# KiCad board latentpink.kicad_pcb (continued)
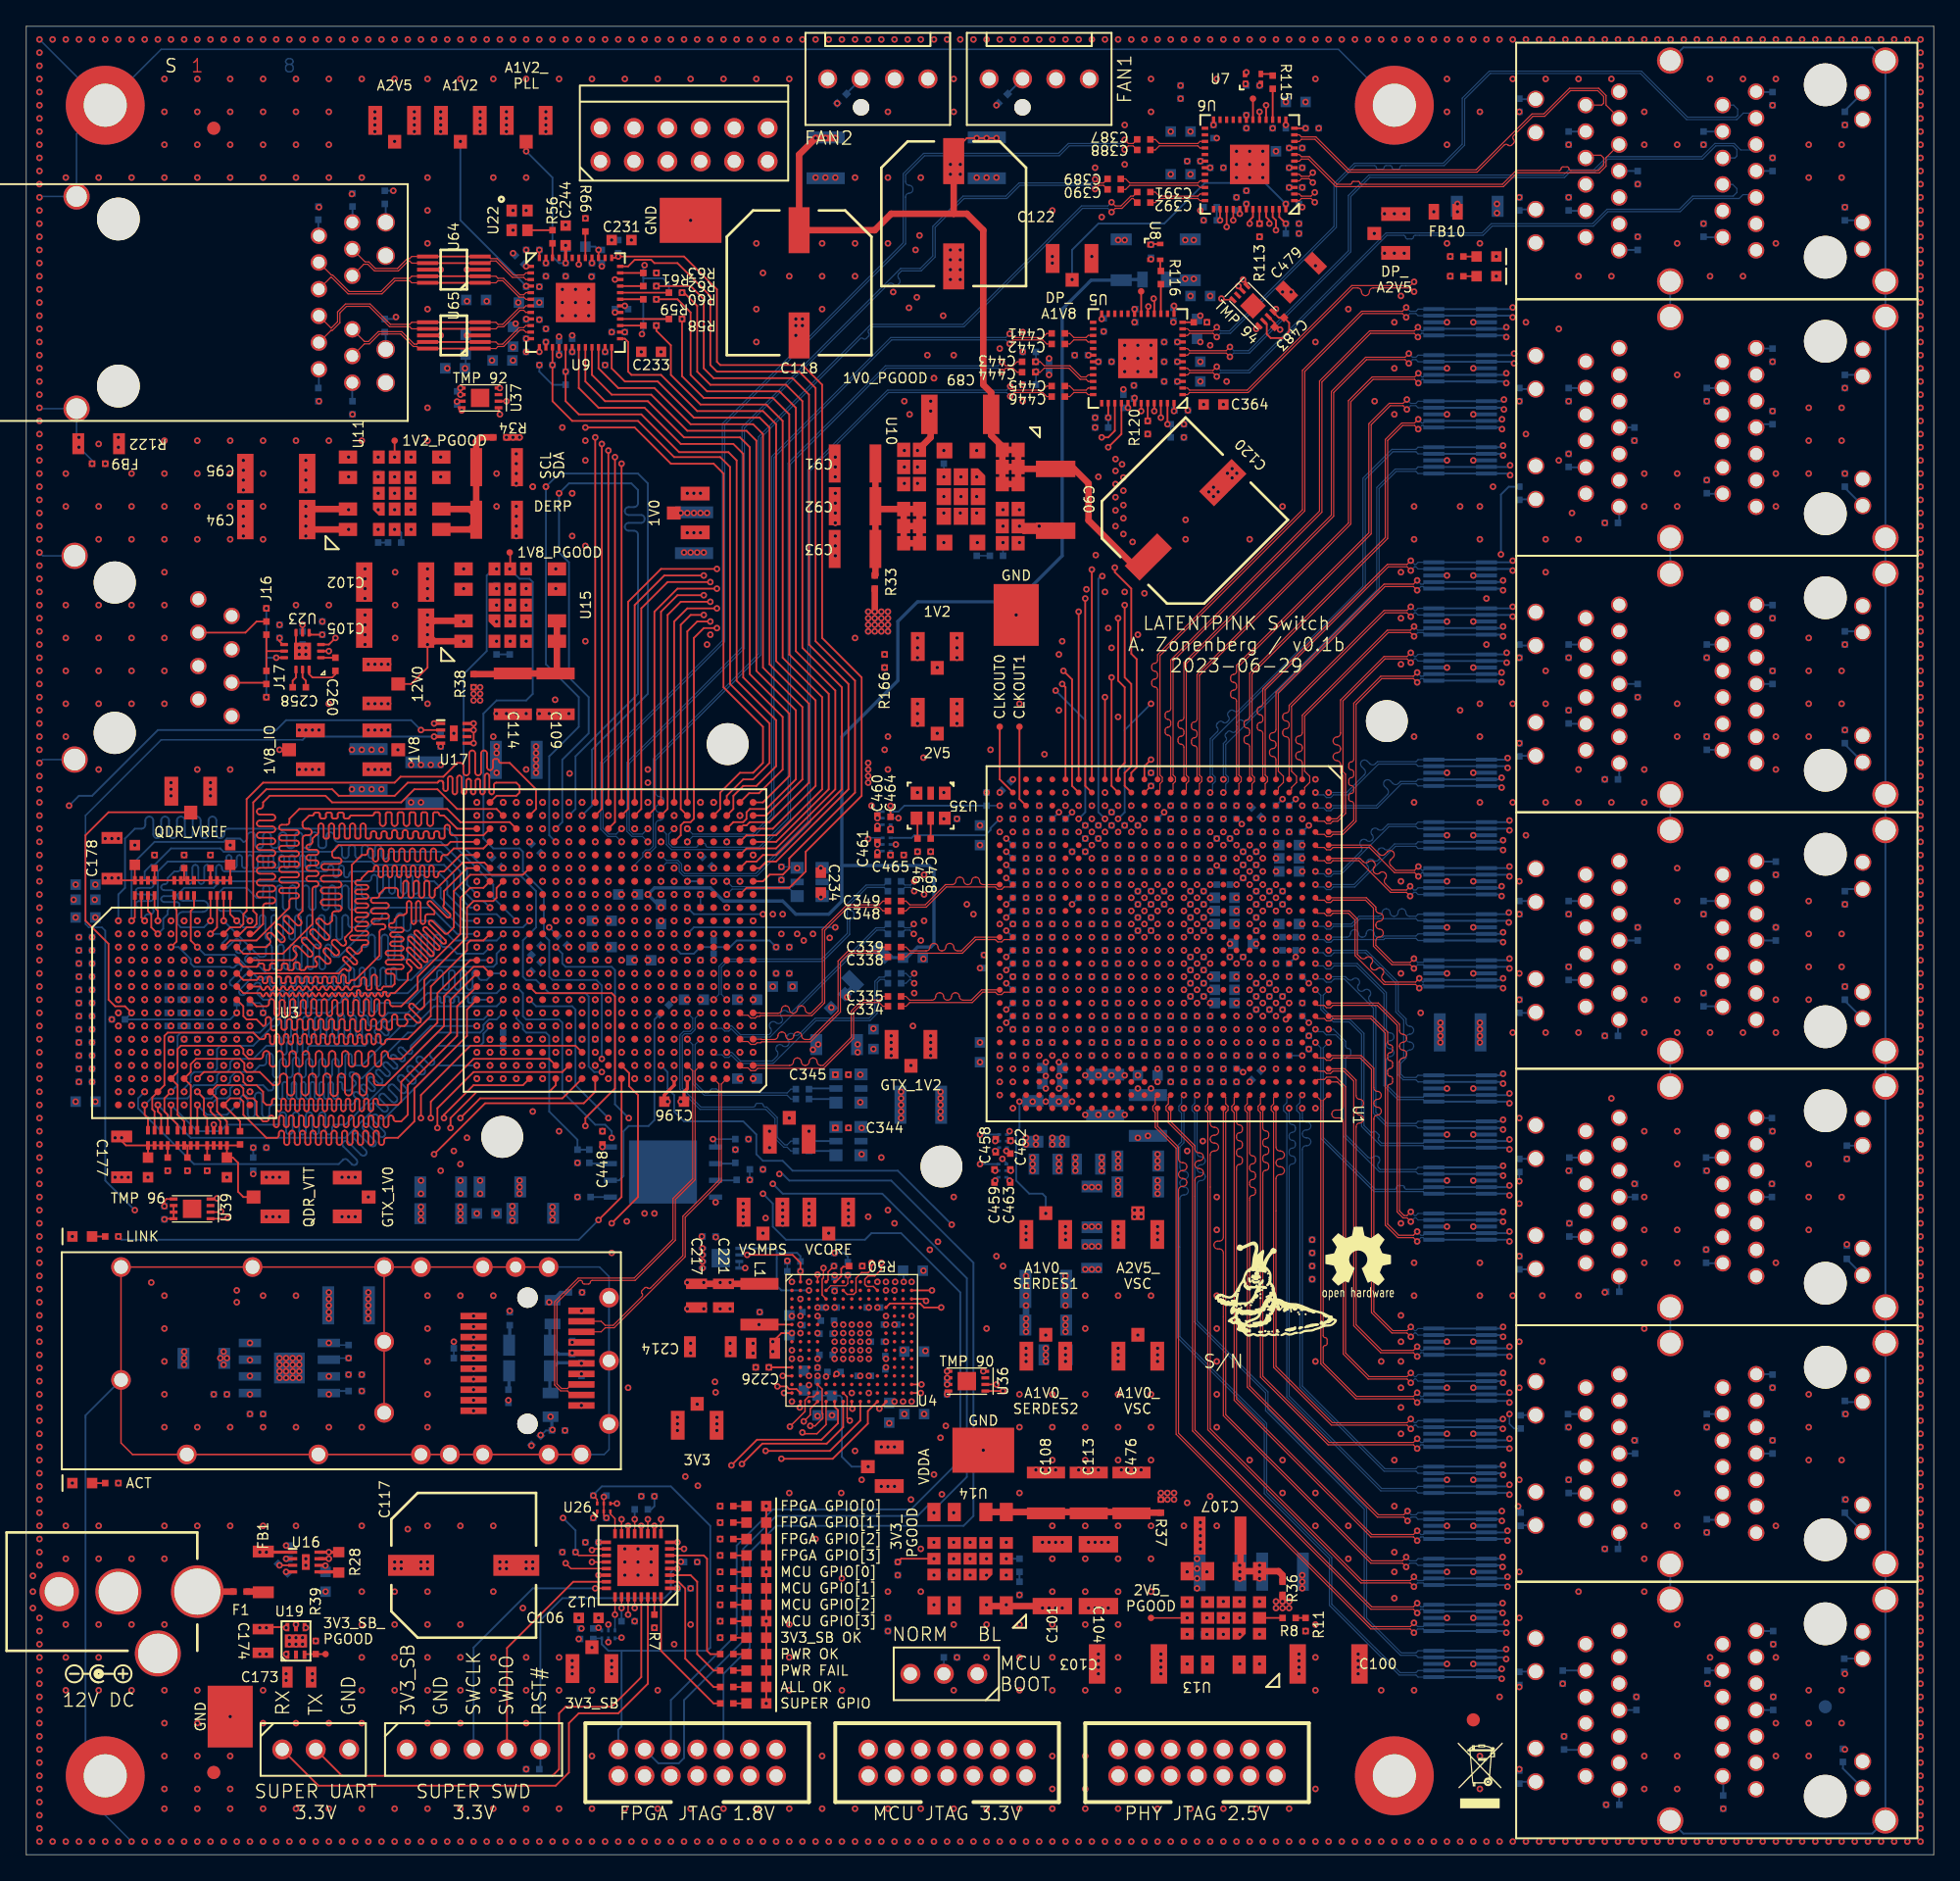
[diagram p0: board, top side]
## Routing (per net, layer and track width the routed paths; a pad name or vN(x,y) marks a point on that pad's centre or on a via; arc(x,y) is an arc through that point) (continued)
/FPGA/QDR SRAM/QDR_Q6: length 51.1
  Top w0.14: U2.V22 33,76 31.75,74.75 31.5,74.75 arc(31.38,74.7) 31.33,74.58 31.33,74.47 arc(31.27,74.35) 31.15,74.3 arc(31.03,74.35) 30.97,74.47 30.97,75.03 arc(30.92,75.15) 30.8,75.2 arc(30.68,75.15) 30.62,75.03 30.62,74.47 arc(30.57,74.35) 30.45,74.3 arc(30.33,74.35) 30.28,74.47 30.28,75.03 arc(30.22,75.15) 30.1,75.2 arc(29.98,75.15) 29.92,75.03 29.92,74.47 arc(29.87,74.35) 29.75,74.3 arc(29.63,74.35) 29.58,74.47 29.58,75.03 arc(29.52,75.15) 29.4,75.2 arc(29.28,75.15) 29.22,75.03 29.22,74.47 arc(29.17,74.35) 29.05,74.3 arc(28.93,74.35) 28.88,74.47 28.88,75.03 arc(28.82,75.15) 28.7,75.2 arc(28.58,75.15) 28.53,75.03 28.53,74.47 arc(28.47,74.35) 28.35,74.3 arc(28.23,74.35) 28.17,74.47 28.17,75.03 arc(28.12,75.15) 28,75.2 arc(27.88,75.15) 27.83,75.03 27.83,74.47 arc(27.77,74.35) 27.65,74.3 arc(27.53,74.35) 27.47,74.47 27.47,75.03 arc(27.42,75.15) 27.3,75.2 arc(27.18,75.15) 27.12,75.03 27.12,74.47 arc(27.07,74.35) 26.95,74.3 arc(26.83,74.35) 26.77,74.47 26.77,75.03 arc(26.72,75.15) 26.6,75.2 arc(26.48,75.15) 26.42,75.03 26.42,74.92 arc(26.37,74.8) 26.25,74.75 26,74.75 25.5,74.25 arc(25.45,74.13) 25.33,74.08 25.18,74.08 arc(25.05,74.02) 25,73.9 arc(25.05,73.78) 25.18,73.72 25.82,73.72 arc(25.95,73.67) 26,73.55 arc(25.95,73.43) 25.82,73.38 25.18,73.38 arc(25.05,73.32) 25,73.2 arc(25.05,73.08) 25.18,73.03 25.82,73.03 arc(25.95,72.97) 26,72.85 arc(25.95,72.73) 25.82,72.67 25.18,72.67 arc(25.05,72.62) 25,72.5 arc(25.05,72.38) 25.18,72.33 25.82,72.33 arc(25.95,72.27) 26,72.15 arc(25.95,72.03) 25.82,71.97 25.18,71.97 arc(25.05,71.92) 25,71.8 arc(25.05,71.68) 25.18,71.62 25.82,71.62 arc(25.95,71.57) 26,71.45 arc(25.95,71.33) 25.82,71.28 25.18,71.28 arc(25.05,71.22) 25,71.1 arc(25.05,70.98) 25.18,70.92 25.82,70.92 arc(25.95,70.87) 26,70.75 arc(25.95,70.63) 25.82,70.58 25.18,70.58 arc(25.05,70.52) 25,70.4 arc(25.05,70.28) 25.18,70.22 25.82,70.22 arc(25.95,70.17) 26,70.05 arc(25.95,69.93) 25.82,69.88 24.78,69.88 arc(24.65,69.82) 24.6,69.7 arc(24.65,69.58) 24.78,69.53 25.82,69.53 arc(25.95,69.47) 26,69.35 arc(25.95,69.23) 25.82,69.17 25.67,69.17 arc(25.55,69.12) 25.5,69 25.5,68.75 25.29,68.54 arc(25.16,68.49) 25.04,68.54 24.65,68.93 arc(24.53,68.98) 24.41,68.93 arc(24.35,68.8) 24.41,68.68 25.11,67.97 arc(25.16,67.85) 25.11,67.73 arc(24.99,67.67) 24.86,67.73 24.37,68.22 arc(24.25,68.27) 24.12,68.22 arc(24.07,68.09) 24.12,67.97 24.62,67.48 arc(24.67,67.35) 24.62,67.23 arc(24.49,67.18) 24.37,67.23 24.3,67.3 arc(24.17,67.35) 24.05,67.3 23.75,67 U3.E11
/FPGA/QDR SRAM/QDR_Q7: length 50.8
  Top w0.14: U3.C10 16.5,68.5 19.5,68.5 21.75,70.75 21.75,73.4 arc(21.81,73.54) 21.95,73.6 22.02,73.6 arc(22.16,73.66) 22.22,73.8 arc(22.16,73.94) 22.02,74 21.48,74 arc(21.34,74.06) 21.28,74.2 arc(21.34,74.34) 21.48,74.4 22.02,74.4 arc(22.16,74.46) 22.22,74.6 arc(22.16,74.74) 22.02,74.8 21.48,74.8 arc(21.34,74.86) 21.28,75 arc(21.34,75.14) 21.48,75.2 22.02,75.2 arc(22.16,75.26) 22.22,75.4 arc(22.16,75.54) 22.02,75.6 21.48,75.6 arc(21.34,75.66) 21.28,75.8 arc(21.34,75.94) 21.48,76 22.02,76 arc(22.16,76.06) 22.22,76.2 arc(22.16,76.34) 22.02,76.4 21.48,76.4 arc(21.34,76.46) 21.28,76.6 arc(21.34,76.74) 21.48,76.8 21.55,76.8 arc(21.69,76.86) 21.75,77 21.75,77.25 22,77.5 arc(22.14,77.56) 22.2,77.7 22.2,78.2 arc(22.26,78.34) 22.4,78.4 arc(22.54,78.34) 22.6,78.2 22.6,77.38 arc(22.64,77.29) 22.73,77.25 22.88,77.25 arc(22.96,77.29) 23,77.38 23,78.2 arc(23.06,78.34) 23.2,78.4 arc(23.34,78.34) 23.4,78.2 23.4,77.38 arc(23.44,77.29) 23.52,77.25 23.67,77.25 arc(23.76,77.29) 23.8,77.38 23.8,78.2 arc(23.86,78.34) 24,78.4 arc(24.14,78.34) 24.2,78.2 24.2,77.38 arc(24.24,77.29) 24.33,77.25 24.48,77.25 arc(24.56,77.29) 24.6,77.38 24.6,78.2 arc(24.66,78.34) 24.8,78.4 arc(24.94,78.34) 25,78.2 25,77.38 arc(25.04,77.29) 25.12,77.25 25.27,77.25 arc(25.36,77.29) 25.4,77.38 25.4,78.2 arc(25.46,78.34) 25.6,78.4 arc(25.74,78.34) 25.8,78.2 25.8,77.38 arc(25.84,77.29) 25.92,77.25 26.08,77.25 arc(26.16,77.29) 26.2,77.38 26.2,77.65 arc(26.24,77.76) 26.35,77.8 26.45,77.8 arc(26.56,77.76) 26.6,77.65 26.6,77.38 arc(26.64,77.29) 26.73,77.25 26.88,77.25 arc(26.96,77.29) 27,77.38 27,77.65 arc(27.04,77.76) 27.15,77.8 27.25,77.8 arc(27.36,77.76) 27.4,77.65 27.4,77.38 arc(27.44,77.29) 27.53,77.25 27.67,77.25 arc(27.76,77.29) 27.8,77.38 27.8,77.7 arc(27.86,77.84) 28,77.9 arc(28.14,77.84) 28.2,77.7 28.2,77.38 arc(28.24,77.29) 28.33,77.25 28.47,77.25 arc(28.56,77.29) 28.6,77.38 28.6,77.7 arc(28.66,77.84) 28.8,77.9 arc(28.94,77.84) 29,77.7 29,77.38 arc(29.04,77.29) 29.12,77.25 29.28,77.25 arc(29.36,77.29) 29.4,77.38 29.4,77.65 arc(29.44,77.76) 29.55,77.8 29.65,77.8 arc(29.76,77.76) 29.8,77.65 29.8,77.38 arc(29.84,77.29) 29.92,77.25 30.08,77.25 arc(30.16,77.29) 30.2,77.38 30.2,77.65 arc(30.24,77.76) 30.35,77.8 30.45,77.8 arc(30.56,77.76) 30.6,77.65 30.6,77.38 arc(30.64,77.29) 30.72,77.25 30.88,77.25 arc(30.96,77.29) 31,77.38 31,77.65 arc(31.04,77.76) 31.15,77.8 31.25,77.8 arc(31.36,77.76) 31.4,77.65 31.4,77.38 arc(31.44,77.29) 31.53,77.25 31.67,77.25 arc(31.76,77.29) 31.8,77.38 31.8,78.1 arc(31.86,78.24) 32,78.3 arc(32.14,78.24) 32.2,78.1 32.2,77.7 arc(32.26,77.56) 32.4,77.5 34.75,77.5 U2.Y21
/FPGA/QDR SRAM/QDR_Q8: length 49.7
  Top w0.14: U2.AA20 35.75,79.5 32.75,79.5 31.25,81 29.5,81 28.5,80 23.25,80 22.75,80.5 18.5,80.5 18,80 18,79.75 arc(17.93,79.59) 17.77,79.53 17.75,79.53 arc(17.59,79.46) 17.52,79.3 arc(17.59,79.14) 17.75,79.08 18.7,79.08 arc(18.86,79.01) 18.93,78.85 arc(18.86,78.69) 18.7,78.62 17.75,78.62 arc(17.59,78.56) 17.52,78.4 arc(17.59,78.24) 17.75,78.17 18.7,78.17 arc(18.86,78.11) 18.93,77.95 arc(18.86,77.79) 18.7,77.72 17.75,77.72 arc(17.59,77.66) 17.52,77.5 arc(17.59,77.34) 17.75,77.28 18.7,77.28 arc(18.86,77.21) 18.93,77.05 arc(18.86,76.89) 18.7,76.83 17.75,76.83 arc(17.59,76.76) 17.52,76.6 arc(17.59,76.44) 17.75,76.38 18.7,76.38 arc(18.86,76.31) 18.93,76.15 arc(18.86,75.99) 18.7,75.92 17.75,75.92 arc(17.59,75.86) 17.52,75.7 arc(17.59,75.54) 17.75,75.47 18.7,75.47 arc(18.86,75.41) 18.93,75.25 arc(18.86,75.09) 18.7,75.03 17.75,75.03 arc(17.59,74.96) 17.52,74.8 arc(17.59,74.64) 17.75,74.58 18.7,74.58 arc(18.86,74.51) 18.93,74.35 arc(18.86,74.19) 18.7,74.12 17.75,74.12 arc(17.59,74.06) 17.52,73.9 arc(17.59,73.74) 17.75,73.67 18.7,73.67 arc(18.86,73.61) 18.93,73.45 arc(18.86,73.29) 18.7,73.22 17.75,73.22 arc(17.59,73.16) 17.52,73 arc(17.59,72.84) 17.75,72.78 18.7,72.78 arc(18.86,72.71) 18.93,72.55 arc(18.86,72.39) 18.7,72.33 18.23,72.33 arc(18.07,72.26) 18,72.1 18,70.75 17.25,70 U3.B11
/FPGA/QDR SRAM/QDR_Q9: length 43.9
  In2.Cu w0.115: v1(37.25,59) 37.25,58.5 35.5,56.75 34,56.75 33.75,56.5 29.75,56.5 29,55.75 28,55.75 arc(27.86,55.81) 27.8,55.95 27.8,56.23 arc(27.74,56.37) 27.6,56.43 arc(27.46,56.37) 27.4,56.23 27.4,55.47 arc(27.34,55.33) 27.2,55.27 arc(27.06,55.33) 27,55.47 27,56.23 arc(26.94,56.37) 26.8,56.43 arc(26.66,56.37) 26.6,56.23 26.6,55.47 arc(26.54,55.33) 26.4,55.27 arc(26.26,55.33) 26.2,55.47 26.2,56.23 arc(26.14,56.37) 26,56.43 arc(25.86,56.37) 25.8,56.23 25.8,55.47 arc(25.74,55.33) 25.6,55.27 arc(25.46,55.33) 25.4,55.47 25.4,56.23 arc(25.34,56.37) 25.2,56.43 arc(25.06,56.37) 25,56.23 25,55.47 arc(24.94,55.33) 24.8,55.27 arc(24.66,55.33) 24.6,55.47 24.6,56.23 arc(24.54,56.37) 24.4,56.43 arc(24.26,56.37) 24.2,56.23 24.2,55.47 arc(24.14,55.33) 24,55.27 arc(23.86,55.33) 23.8,55.47 23.8,56.23 arc(23.74,56.37) 23.6,56.43 arc(23.46,56.37) 23.4,56.23 23.4,55.47 arc(23.34,55.33) 23.2,55.27 arc(23.06,55.33) 23,55.47 23,56.23 arc(22.94,56.37) 22.8,56.43 arc(22.66,56.37) 22.6,56.23 22.6,55.47 arc(22.54,55.33) 22.4,55.27 arc(22.26,55.33) 22.2,55.47 22.2,56.23 arc(22.14,56.37) 22,56.43 arc(21.86,56.37) 21.8,56.23 21.8,55.47 arc(21.74,55.33) 21.6,55.27 arc(21.46,55.33) 21.4,55.47 21.4,56.23 arc(21.34,56.37) 21.2,56.43 arc(21.06,56.37) 21,56.23 21,55.47 arc(20.94,55.33) 20.8,55.27 arc(20.66,55.33) 20.6,55.47 20.6,56.23 arc(20.54,56.37) 20.4,56.43 arc(20.26,56.37) 20.2,56.23 20.2,55.95 arc(20.14,55.81) 20,55.75 19.75,55.75 19,56.5 16.25,56.5 15,57.75 v1(15,58)
/FPGA/QDR SRAM/QDR_Q10: length 45
  In2.Cu w0.115: v1(37.25,61) 36.75,60.5 36.75,58.75 35.5,57.5 35.25,57.5 arc(35.13,57.45) 35.08,57.33 35.08,57.19 arc(35.02,57.07) 34.9,57.02 arc(34.78,57.07) 34.72,57.19 34.72,57.62 arc(34.69,57.7) 34.61,57.73 34.49,57.73 arc(34.41,57.7) 34.38,57.62 34.38,57.19 arc(34.32,57.07) 34.2,57.02 arc(34.08,57.07) 34.03,57.19 34.03,57.62 arc(33.99,57.7) 33.91,57.73 33.79,57.73 arc(33.71,57.7) 33.67,57.62 33.67,56.94 arc(33.62,56.82) 33.5,56.77 arc(33.38,56.82) 33.33,56.94 33.33,57.62 arc(33.29,57.7) 33.21,57.73 33.09,57.73 arc(33.01,57.7) 32.97,57.62 32.97,56.94 arc(32.92,56.82) 32.8,56.77 arc(32.68,56.82) 32.62,56.94 32.62,57.62 arc(32.59,57.7) 32.51,57.73 32.39,57.73 arc(32.31,57.7) 32.28,57.62 32.28,56.94 arc(32.22,56.82) 32.1,56.77 arc(31.98,56.82) 31.92,56.94 31.92,57.62 arc(31.89,57.7) 31.81,57.73 31.69,57.73 arc(31.61,57.7) 31.58,57.62 31.58,56.94 arc(31.52,56.82) 31.4,56.77 arc(31.28,56.82) 31.22,56.94 31.22,57.62 arc(31.19,57.7) 31.11,57.73 30.99,57.73 arc(30.91,57.7) 30.88,57.62 30.88,56.94 arc(30.82,56.82) 30.7,56.77 arc(30.58,56.82) 30.53,56.94 30.53,57.62 arc(30.49,57.7) 30.41,57.73 30.29,57.73 arc(30.21,57.7) 30.17,57.62 30.17,56.94 arc(30.12,56.82) 30,56.77 arc(29.88,56.82) 29.83,56.94 29.83,57.62 arc(29.79,57.7) 29.71,57.73 29.59,57.73 arc(29.51,57.7) 29.47,57.62 29.47,56.69 arc(29.42,56.57) 29.3,56.52 arc(29.18,56.57) 29.12,56.69 29.12,57.62 arc(29.09,57.7) 29.01,57.73 28.89,57.73 arc(28.81,57.7) 28.78,57.62 28.78,56.69 arc(28.72,56.57) 28.6,56.52 arc(28.48,56.57) 28.42,56.69 28.42,57.62 arc(28.39,57.7) 28.31,57.73 28.19,57.73 arc(28.11,57.7) 28.08,57.62 28.08,56.74 arc(28.02,56.62) 27.9,56.57 arc(27.78,56.62) 27.72,56.74 27.72,57.5 27.72,57.5 27.72,57.62 arc(27.68,57.7) 27.6,57.73 27.48,57.73 arc(27.4,57.7) 27.37,57.62 arc(27.33,57.53) 27.25,57.5 26.75,57.5 26.25,57 16.25,57 15.5,57.75 15.5,58.5 v1(15,59)
/FPGA/QDR SRAM/QDR_Q11: length 48.5
  In2.Cu w0.115: v1(16,61) 16.5,61.5 19.5,61.5 20.75,62.75 20.75,64 22.25,65.5 22.5,65.5 arc(22.62,65.55) 22.67,65.67 arc(22.72,65.79) 22.84,65.84 22.9,65.84 arc(23.02,65.79) 23.07,65.67 23.07,65.5 23.08,65.5 23.08,64.91 arc(23.13,64.77) 23.27,64.71 arc(23.42,64.77) 23.48,64.91 23.48,65.69 arc(23.53,65.83) 23.67,65.89 23.68,65.89 arc(23.82,65.83) 23.88,65.69 23.88,64.91 arc(23.93,64.77) 24.08,64.71 arc(24.22,64.77) 24.27,64.91 24.27,65.69 arc(24.33,65.83) 24.47,65.89 24.48,65.89 arc(24.62,65.83) 24.67,65.69 24.67,64.91 arc(24.73,64.77) 24.88,64.71 arc(25.02,64.77) 25.08,64.91 25.08,65.67 arc(25.12,65.79) 25.24,65.84 25.31,65.84 arc(25.43,65.79) 25.48,65.67 25.48,64.91 arc(25.53,64.77) 25.67,64.71 arc(25.82,64.77) 25.88,64.91 25.88,65.67 arc(25.92,65.79) 26.04,65.84 26.11,65.84 arc(26.23,65.79) 26.27,65.67 26.27,64.91 arc(26.33,64.77) 26.48,64.71 arc(26.62,64.77) 26.67,64.91 26.67,65.67 arc(26.72,65.79) 26.84,65.84 26.91,65.84 arc(27.03,65.79) 27.08,65.67 27.08,64.91 arc(27.13,64.77) 27.28,64.71 arc(27.42,64.77) 27.47,64.91 27.47,65.67 arc(27.52,65.79) 27.64,65.84 27.71,65.84 arc(27.83,65.79) 27.88,65.67 27.88,64.91 arc(27.93,64.77) 28.08,64.71 arc(28.22,64.77) 28.28,64.91 28.28,65.67 arc(28.32,65.79) 28.44,65.84 28.51,65.84 arc(28.63,65.79) 28.67,65.67 28.67,64.91 arc(28.73,64.77) 28.88,64.71 arc(29.02,64.77) 29.08,64.91 29.08,65.69 arc(29.13,65.83) 29.27,65.89 29.28,65.89 arc(29.42,65.83) 29.47,65.69 29.47,64.91 arc(29.53,64.77) 29.67,64.71 arc(29.82,64.77) 29.88,64.91 29.88,65.69 arc(29.93,65.83) 30.07,65.89 30.08,65.89 arc(30.22,65.83) 30.28,65.69 30.28,64.91 arc(30.33,64.77) 30.47,64.71 arc(30.62,64.77) 30.67,64.91 30.67,65.67 arc(30.72,65.79) 30.84,65.84 30.91,65.84 arc(31.03,65.79) 31.08,65.67 31.08,64.91 arc(31.13,64.77) 31.28,64.71 arc(31.42,64.77) 31.47,64.91 31.47,65.67 arc(31.52,65.79) 31.64,65.84 31.71,65.84 arc(31.83,65.79) 31.88,65.67 31.88,64.91 arc(31.93,64.77) 32.08,64.71 arc(32.22,64.77) 32.28,64.91 32.28,65.3 arc(32.33,65.44) 32.47,65.5 33.5,65.5 34.75,64.25 34.75,63.75 35,63.5 36.75,63.5 v1(37.25,63)
/FPGA/QDR SRAM/QDR_Q12: length 44.8
  In5.Cu w0.115: v1(15,62) 15.5,61.5 18.25,61.5 20.75,64 21,64 arc(21.18,64.07) 21.25,64.25 21.25,64.29 arc(21.32,64.46) 21.5,64.54 arc(21.68,64.46) 21.75,64.29 21.75,63.71 arc(21.82,63.54) 22,63.46 arc(22.18,63.54) 22.25,63.71 22.25,64.29 arc(22.32,64.46) 22.5,64.54 arc(22.68,64.46) 22.75,64.29 22.75,63.71 arc(22.82,63.54) 23,63.46 arc(23.18,63.54) 23.25,63.71 23.25,64.29 arc(23.32,64.46) 23.5,64.54 arc(23.68,64.46) 23.75,64.29 23.75,63.71 arc(23.82,63.54) 24,63.46 arc(24.18,63.54) 24.25,63.71 24.25,64.29 arc(24.32,64.46) 24.5,64.54 arc(24.68,64.46) 24.75,64.29 24.75,63.71 arc(24.82,63.54) 25,63.46 arc(25.18,63.54) 25.25,63.71 25.25,64.29 arc(25.32,64.46) 25.5,64.54 arc(25.68,64.46) 25.75,64.29 25.75,63.71 arc(25.82,63.54) 26,63.46 arc(26.18,63.54) 26.25,63.71 26.25,64.29 arc(26.32,64.46) 26.5,64.54 arc(26.68,64.46) 26.75,64.29 26.75,63.71 arc(26.82,63.54) 27,63.46 arc(27.18,63.54) 27.25,63.71 27.25,64.29 arc(27.32,64.46) 27.5,64.54 arc(27.68,64.46) 27.75,64.29 27.75,63.71 arc(27.82,63.54) 28,63.46 arc(28.18,63.54) 28.25,63.71 28.25,64.29 arc(28.32,64.46) 28.5,64.54 arc(28.68,64.46) 28.75,64.29 28.75,63.71 arc(28.82,63.54) 29,63.46 arc(29.18,63.54) 29.25,63.71 29.25,64.29 arc(29.32,64.46) 29.5,64.54 arc(29.68,64.46) 29.75,64.29 29.75,63.71 arc(29.82,63.54) 30,63.46 arc(30.18,63.54) 30.25,63.71 30.25,64.29 arc(30.32,64.46) 30.5,64.54 arc(30.68,64.46) 30.75,64.29 30.75,63.71 arc(30.82,63.54) 31,63.46 arc(31.18,63.54) 31.25,63.71 31.25,63.75 arc(31.32,63.93) 31.5,64 32.5,64 34,65.5 39,65.5 40.25,64.25 v1(40.25,64)
/FPGA/QDR SRAM/QDR_Q13: length 50.1
  In2.Cu w0.115: v1(39.25,75) 38.75,74.5 38.75,73.5 36.75,71.5 33.75,71.5 33,72.25 arc(32.91,72.29) 32.88,72.37 arc(32.84,72.46) 32.76,72.49 32.7,72.49 arc(32.61,72.46) 32.58,72.37 32.58,72.25 32.58,72.25 32.58,71.96 arc(32.53,71.85) 32.42,71.81 arc(32.32,71.85) 32.28,71.96 32.28,72.37 arc(32.24,72.46) 32.15,72.49 32.1,72.49 arc(32.01,72.46) 31.97,72.37 31.97,71.96 arc(31.93,71.85) 31.83,71.81 arc(31.72,71.85) 31.67,71.96 31.67,72.37 arc(31.64,72.46) 31.55,72.49 31.5,72.49 arc(31.41,72.46) 31.38,72.37 31.38,71.96 arc(31.33,71.85) 31.22,71.81 arc(31.12,71.85) 31.08,71.96 31.08,72.37 arc(31.04,72.46) 30.95,72.49 30.9,72.49 arc(30.81,72.46) 30.78,72.37 30.78,71.96 arc(30.73,71.85) 30.62,71.81 arc(30.52,71.85) 30.47,71.96 30.47,72.37 arc(30.44,72.46) 30.35,72.49 30.3,72.49 arc(30.21,72.46) 30.17,72.37 30.17,71.96 arc(30.13,71.85) 30.03,71.81 arc(29.92,71.85) 29.88,71.96 29.88,72.37 arc(29.84,72.46) 29.75,72.49 29.7,72.49 arc(29.61,72.46) 29.58,72.37 29.58,71.96 arc(29.53,71.85) 29.42,71.81 arc(29.32,71.85) 29.28,71.96 29.28,72.37 arc(29.24,72.46) 29.15,72.49 29.1,72.49 arc(29.01,72.46) 28.97,72.37 28.97,71.96 arc(28.93,71.85) 28.83,71.81 arc(28.72,71.85) 28.67,71.96 28.67,72.37 arc(28.64,72.46) 28.55,72.49 28.5,72.49 arc(28.41,72.46) 28.38,72.37 28.38,71.96 arc(28.33,71.85) 28.22,71.81 arc(28.12,71.85) 28.08,71.96 28.08,72.37 arc(28.04,72.46) 27.95,72.49 27.9,72.49 arc(27.81,72.46) 27.78,72.37 27.78,71.96 arc(27.73,71.85) 27.62,71.81 arc(27.52,71.85) 27.47,71.96 27.47,72.37 arc(27.44,72.46) 27.35,72.49 27.3,72.49 arc(27.21,72.46) 27.17,72.37 27.17,71.96 arc(27.13,71.85) 27.03,71.81 arc(26.92,71.85) 26.88,71.96 26.88,72.37 arc(26.84,72.46) 26.75,72.49 26.7,72.49 arc(26.61,72.46) 26.58,72.37 26.58,71.96 arc(26.53,71.85) 26.42,71.81 arc(26.32,71.85) 26.27,71.96 26.27,72.37 arc(26.24,72.46) 26.15,72.49 26.1,72.49 arc(26.01,72.46) 25.98,72.37 25.98,71.96 arc(25.93,71.85) 25.83,71.81 arc(25.72,71.85) 25.67,71.96 25.67,72.37 arc(25.64,72.46) 25.55,72.49 25.5,72.49 arc(25.41,72.46) 25.38,72.37 25.38,71.96 arc(25.33,71.85) 25.23,71.81 arc(25.12,71.85) 25.08,71.96 25.08,72.37 arc(25.04,72.46) 24.95,72.49 24.9,72.49 arc(24.81,72.46) 24.77,72.37 24.77,71.96 arc(24.73,71.85) 24.62,71.81 arc(24.52,71.85) 24.48,71.96 24.48,72.37 arc(24.44,72.46) 24.35,72.49 24.3,72.49 arc(24.21,72.46) 24.17,72.37 24.17,71.96 arc(24.13,71.85) 24.02,71.81 arc(23.92,71.85) 23.88,71.96 23.88,72.37 arc(23.84,72.46) 23.75,72.49 23.7,72.49 arc(23.61,72.46) 23.58,72.37 arc(23.54,72.29) 23.45,72.25 22,72.25 21.5,72.75 20.75,72.75 20.5,72.5 20.5,70 20.25,69.75 19.75,69.75 18.5,68.5 18.5,66.5 17.5,65.5 16.25,65.5 15.75,65 v1(15,65)
/FPGA/QDR SRAM/QDR_Q14: length 55.3
  Top w0.14: U2.U18 37.75,74.5 33.75,74.5 32.5,73.25 32.5,70.5 32.04,70.04 arc(31.93,69.99) 31.81,70.04 30.88,70.97 arc(30.76,71.02) 30.64,70.97 arc(30.6,70.86) 30.64,70.74 31.86,69.53 arc(31.91,69.41) 31.86,69.3 arc(31.74,69.25) 31.62,69.3 30.45,70.47 arc(30.33,70.52) 30.21,70.47 arc(30.17,70.36) 30.21,70.24 31.39,69.06 arc(31.44,68.95) 31.39,68.83 arc(31.28,68.78) 31.16,68.83 29.77,70.22 arc(29.65,70.27) 29.54,70.22 arc(29.49,70.1) 29.54,69.99 30.93,68.6 arc(30.98,68.48) 30.93,68.36 arc(30.81,68.32) 30.69,68.36 29.3,69.76 arc(29.19,69.8) 29.07,69.76 arc(29.02,69.64) 29.07,69.52 30.46,68.13 arc(30.51,68.02) 30.46,67.9 arc(30.35,67.85) 30.23,67.9 29.19,68.94 arc(29.08,68.98) 28.96,68.94 arc(28.91,68.82) 28.96,68.7 30,67.67 arc(30.04,67.55) 30,67.43 arc(29.88,67.39) 29.76,67.43 29.19,68.01 arc(29.07,68.06) 28.95,68.01 arc(28.91,67.89) 28.95,67.78 29.25,67.48 arc(29.3,67.37) 29.25,67.25 29,67 29,66.5 28,65.5 27.75,65.5 arc(27.66,65.46) 27.62,65.38 arc(27.59,65.29) 27.5,65.25 27.5,65.25 arc(27.41,65.29) 27.38,65.38 27.38,65.55 arc(27.36,65.59) 27.33,65.6 27.17,65.6 arc(27.14,65.59) 27.12,65.55 27.12,65.5 27.12,65.5 27.12,65.38 arc(27.09,65.29) 27,65.25 27,65.25 arc(26.91,65.29) 26.87,65.38 arc(26.84,65.46) 26.75,65.5 26.75,65.5 arc(26.66,65.46) 26.62,65.38 arc(26.59,65.29) 26.5,65.25 26.5,65.25 arc(26.41,65.29) 26.37,65.38 arc(26.34,65.46) 26.25,65.5 26.25,65.5 arc(26.16,65.46) 26.12,65.38 arc(26.09,65.29) 26,65.25 26,65.25 arc(25.91,65.29) 25.87,65.38 arc(25.84,65.46) 25.75,65.5 25.75,65.5 arc(25.66,65.46) 25.62,65.38 arc(25.59,65.29) 25.5,65.25 25.5,65.25 arc(25.41,65.29) 25.38,65.38 25.38,65.62 arc(25.34,65.71) 25.25,65.75 25.25,65.75 arc(25.16,65.71) 25.12,65.62 25.12,65.5 25.12,65.5 25.12,65.38 arc(25.09,65.29) 25,65.25 25,65.25 arc(24.91,65.29) 24.87,65.38 arc(24.84,65.46) 24.75,65.5 24.75,65.5 arc(24.66,65.46) 24.62,65.38 arc(24.59,65.29) 24.5,65.25 24.5,65.25 arc(24.41,65.29) 24.37,65.38 arc(24.34,65.46) 24.25,65.5 24.25,65.5 arc(24.16,65.46) 24.12,65.38 arc(24.09,65.29) 24,65.25 24,65.25 arc(23.91,65.29) 23.87,65.38 arc(23.84,65.46) 23.75,65.5 23.75,65.5 arc(23.66,65.46) 23.62,65.38 arc(23.59,65.29) 23.5,65.25 23.5,65.25 arc(23.41,65.29) 23.37,65.38 arc(23.34,65.46) 23.25,65.5 23.25,65.5 arc(23.16,65.46) 23.12,65.38 arc(23.09,65.29) 23,65.25 23,65.25 arc(22.91,65.29) 22.87,65.38 arc(22.84,65.46) 22.75,65.5 22.75,65.5 arc(22.66,65.46) 22.62,65.38 arc(22.59,65.29) 22.5,65.25 22.5,65.25 arc(22.41,65.29) 22.37,65.38 arc(22.34,65.46) 22.25,65.5 22.25,65.5 arc(22.16,65.46) 22.12,65.38 arc(22.09,65.29) 22,65.25 22,65.25 arc(21.91,65.29) 21.87,65.38 arc(21.84,65.46) 21.75,65.5 21.75,65.5 arc(21.66,65.46) 21.62,65.38 arc(21.59,65.29) 21.5,65.25 21.5,65.25 arc(21.41,65.29) 21.37,65.38 arc(21.34,65.46) 21.25,65.5 21.25,65.5 arc(21.16,65.46) 21.12,65.38 arc(21.09,65.29) 21,65.25 21,65.25 arc(20.91,65.29) 20.87,65.38 arc(20.84,65.46) 20.75,65.5 20.75,65.5 arc(20.66,65.46) 20.62,65.38 arc(20.59,65.29) 20.5,65.25 20.5,65.25 arc(20.41,65.29) 20.37,65.38 arc(20.34,65.46) 20.25,65.5 20.25,65.5 arc(20.16,65.46) 20.12,65.38 arc(20.09,65.29) 20,65.25 20,65.25 arc(19.91,65.29) 19.87,65.38 arc(19.84,65.46) 19.75,65.5 19.75,65.5 arc(19.66,65.46) 19.62,65.38 arc(19.59,65.29) 19.5,65.25 19.5,65.25 arc(19.41,65.29) 19.37,65.38 arc(19.34,65.46) 19.25,65.5 19.25,65.5 arc(19.16,65.46) 19.12,65.38 arc(19.09,65.29) 19,65.25 19,65.25 arc(18.91,65.29) 18.87,65.38 arc(18.84,65.46) 18.75,65.5 18.75,65.5 arc(18.66,65.46) 18.62,65.38 arc(18.59,65.29) 18.5,65.25 18.5,65.25 arc(18.41,65.29) 18.37,65.38 arc(18.34,65.46) 18.25,65.5 18.25,65.5 arc(18.16,65.46) 18.12,65.38 arc(18.09,65.29) 18,65.25 18,65.25 arc(17.91,65.29) 17.87,65.38 arc(17.84,65.46) 17.75,65.5 16.5,65.5 U3.F10
/FPGA/QDR SRAM/QDR_Q15: length 48.7
  In2.Cu w0.115: v1(15,67) 15.75,67 16.75,68 16.75,69 18.25,70.5 18.25,73.75 18.62,74.12 22.27,74.12 arc(22.4,74.07) 22.45,73.95 22.45,73.9 arc(22.5,73.78) 22.62,73.73 arc(22.75,73.78) 22.8,73.9 22.8,74.22 arc(22.83,74.3) 22.9,74.32 23.05,74.32 arc(23.12,74.3) 23.15,74.22 23.15,73.9 arc(23.2,73.78) 23.33,73.73 arc(23.45,73.78) 23.5,73.9 23.5,74.22 arc(23.53,74.3) 23.6,74.32 23.75,74.32 arc(23.82,74.3) 23.85,74.22 23.85,73.9 arc(23.9,73.78) 24.02,73.73 arc(24.15,73.78) 24.2,73.9 24.2,74.35 arc(24.25,74.47) 24.38,74.52 arc(24.5,74.47) 24.55,74.35 24.55,73.9 arc(24.6,73.78) 24.73,73.73 arc(24.85,73.78) 24.9,73.9 24.9,74.35 arc(24.95,74.47) 25.08,74.52 arc(25.2,74.47) 25.25,74.35 25.25,73.9 arc(25.3,73.78) 25.42,73.73 arc(25.55,73.78) 25.6,73.9 25.6,74.35 arc(25.65,74.47) 25.77,74.52 arc(25.9,74.47) 25.95,74.35 25.95,73.9 arc(26,73.78) 26.12,73.73 arc(26.25,73.78) 26.3,73.9 26.3,74.35 arc(26.35,74.47) 26.48,74.52 arc(26.6,74.47) 26.65,74.35 26.65,73.9 arc(26.7,73.78) 26.83,73.73 arc(26.95,73.78) 27,73.9 27,74.35 arc(27.05,74.47) 27.17,74.52 arc(27.3,74.47) 27.35,74.35 27.35,73.9 arc(27.4,73.78) 27.53,73.73 arc(27.65,73.78) 27.7,73.9 27.7,74.35 arc(27.75,74.47) 27.88,74.52 arc(28,74.47) 28.05,74.35 28.05,73.9 arc(28.1,73.78) 28.22,73.73 arc(28.35,73.78) 28.4,73.9 28.4,74.35 arc(28.45,74.47) 28.58,74.52 arc(28.7,74.47) 28.75,74.35 28.75,73.9 arc(28.8,73.78) 28.92,73.73 arc(29.05,73.78) 29.1,73.9 29.1,74.35 arc(29.15,74.47) 29.28,74.52 arc(29.4,74.47) 29.45,74.35 29.45,73.9 arc(29.5,73.78) 29.62,73.73 arc(29.75,73.78) 29.8,73.9 29.8,74.35 arc(29.85,74.47) 29.97,74.52 arc(30.1,74.47) 30.15,74.35 30.15,73.9 arc(30.2,73.78) 30.33,73.73 arc(30.45,73.78) 30.5,73.9 30.5,74.35 arc(30.55,74.47) 30.67,74.52 arc(30.8,74.47) 30.85,74.35 30.85,73.9 arc(30.9,73.78) 31.03,73.73 arc(31.15,73.78) 31.2,73.9 31.2,74.35 arc(31.25,74.47) 31.38,74.52 arc(31.5,74.47) 31.55,74.35 31.55,73.9 arc(31.6,73.78) 31.72,73.73 arc(31.85,73.78) 31.9,73.9 31.9,74.35 arc(31.95,74.47) 32.08,74.52 arc(32.2,74.47) 32.25,74.35 32.25,73.9 arc(32.3,73.78) 32.42,73.73 arc(32.55,73.78) 32.6,73.9 32.6,74.35 arc(32.65,74.47) 32.78,74.52 arc(32.9,74.47) 32.95,74.35 32.95,74.3 arc(33,74.18) 33.12,74.12 33.38,74.12 33.75,74.5 37.75,74.5 38.25,75 v1(38.25,76)
